# KiCad board PC110.kicad_pcb (continued)
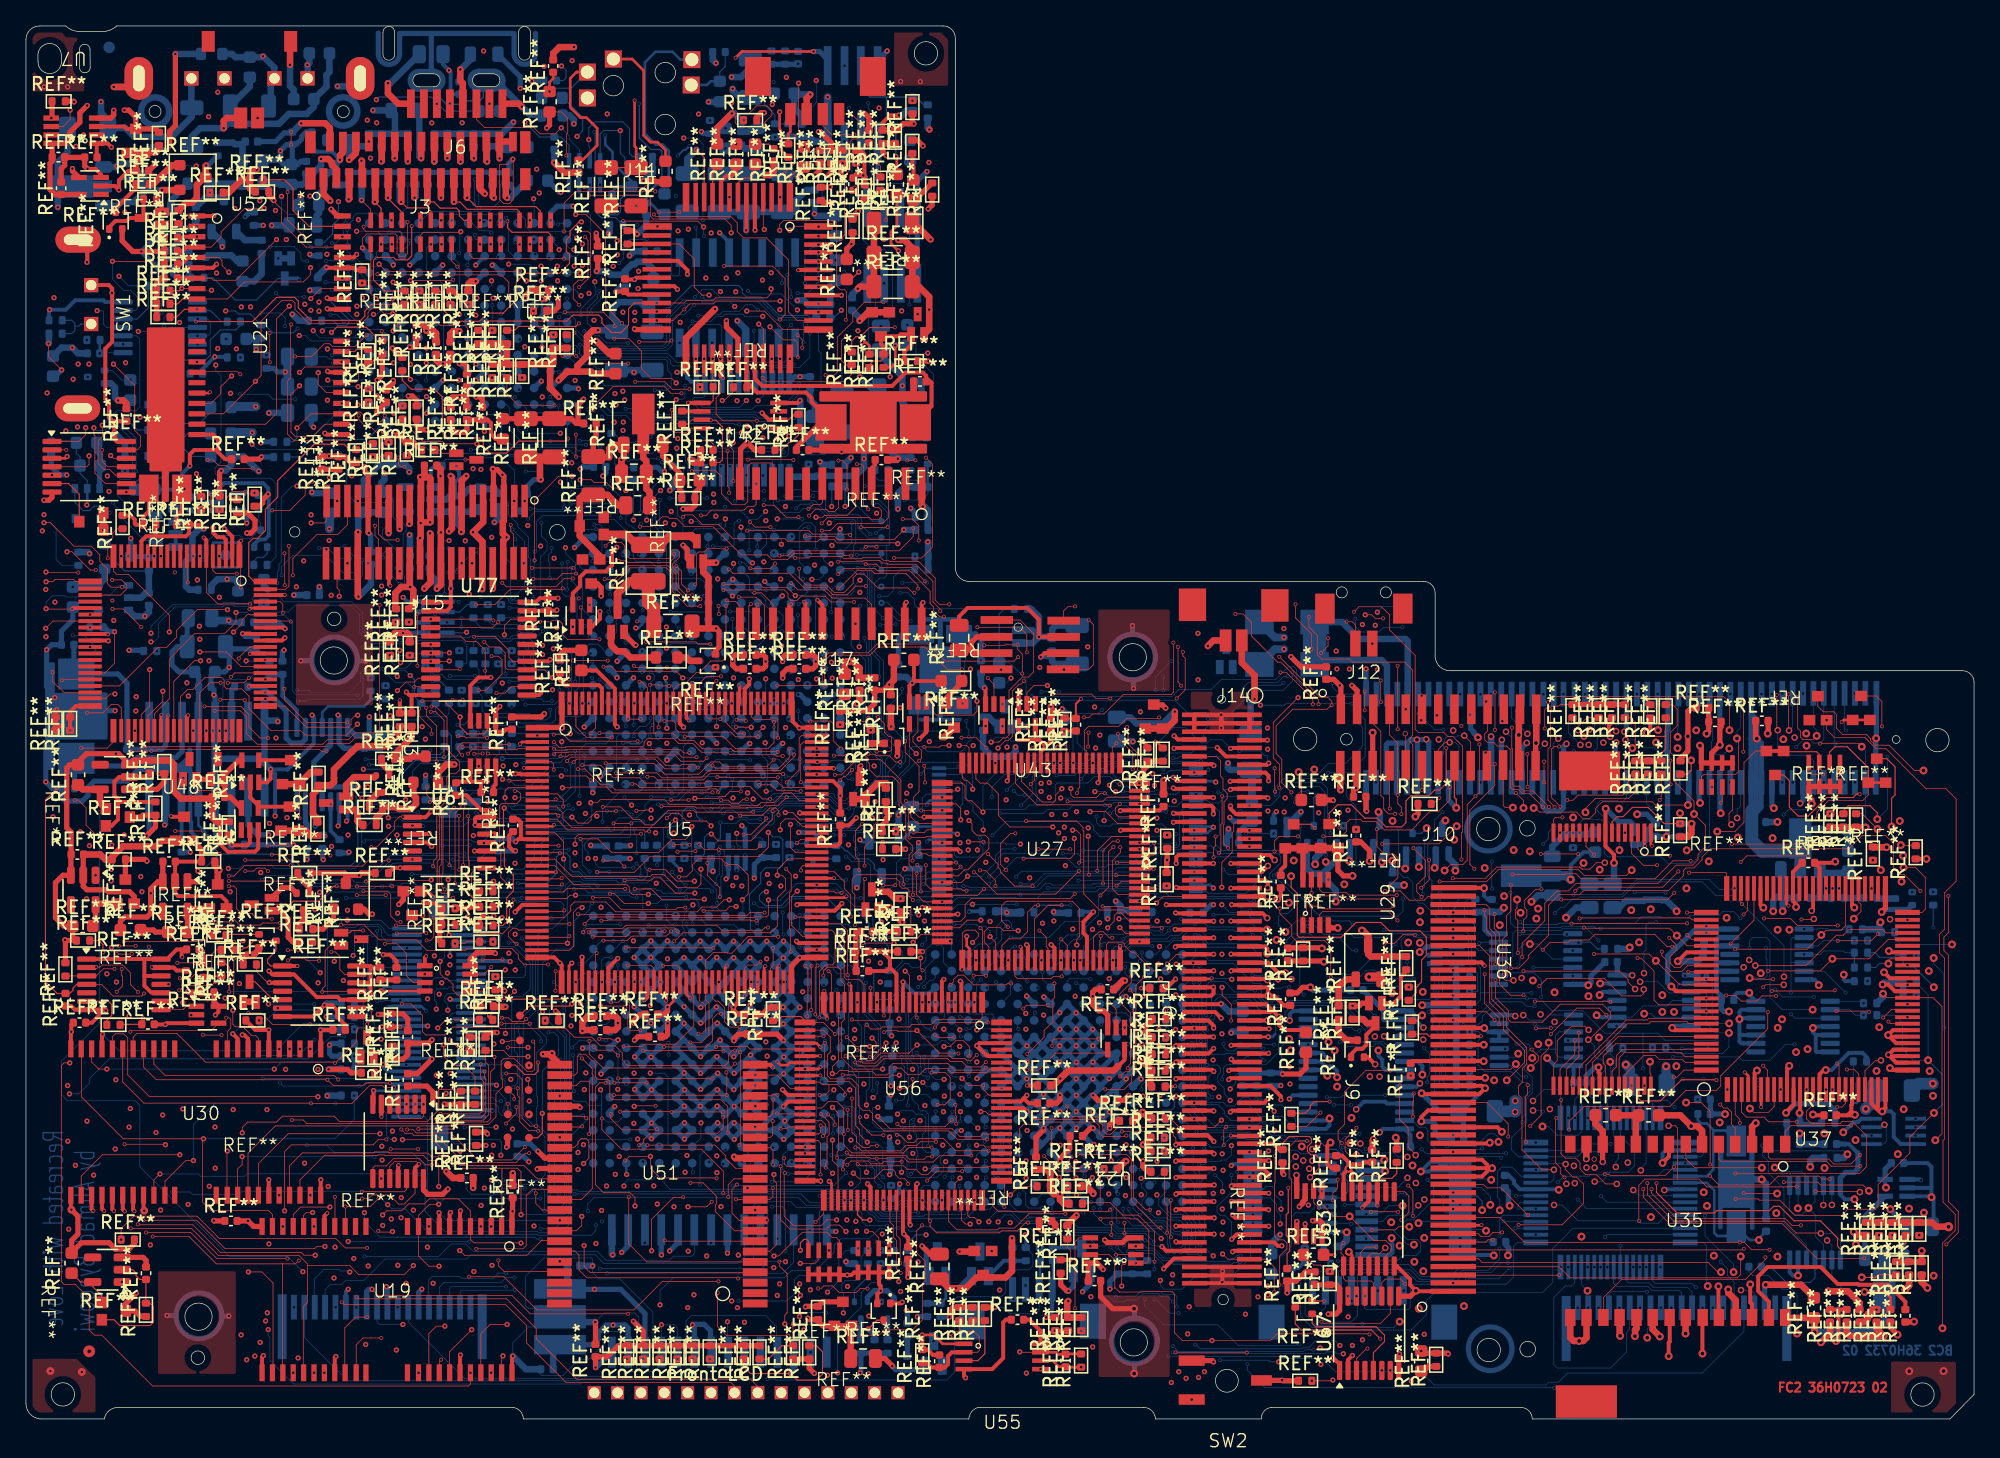
[diagram p0: board, top side]
## Routing (per net, layer and track width the routed paths; a pad name or vN(x,y) marks a point on that pad's centre or on a via; arc(x,y) is an arc through that point) (continued)
SD7: length 224.3
  FC2 w0.05: 60,22.51 58.73,22.51 58.7,22.48 58.7,22.47 58.6,22.38 v2(58.12,22.38) ; v2(73.52,37.83) 73.67,37.68 U27.54 ; U5.88 58.72,43.17 57.87,42.32 v1(57.87,41.9) 58.24,41.9 58.52,41.63 58.52,40.8 57.87,40.15 57.87,37.98 57.36,37.47 50.6,37.47 v2(49.94,36.81) ; v2(53.67,23.66) 49.75,23.66 v2(49.74,23.65) 49.71,23.68 v2(45.77,23.68)
  FC1 w0.05: v2(45.77,23.68) 44.96,22.87 41.92,22.87 41.12,22.07 v2(41.12,21.7) ; v2(53.67,23.66) 55.26,23.66 55.97,24.37 56.52,24.37 56.65,24.24 56.65,22.72 57,22.38 v2(58.12,22.38) ; v2(49.74,23.65) 49.75,23.66 49.75,24.36 49.85,24.46 49.85,36.36 49.87,36.38 49.87,36.43 49.94,36.5 v2(49.94,36.81) ; v1(72.91,39.66) 72.91,38.09 73.17,37.83 v2(73.52,37.83)
  IC1 w0.05: v1(57.87,41.9) 58.31,42.34 60.51,42.34 61.81,41.04 63.27,41.04 64.11,40.2 71.78,40.2 72.32,39.66 v1(72.91,39.66)
  IC2 w0.05: v1(56.98,57.04) 56.98,56.14 55.25,54.41 55.25,52.68 55.44,52.49 57.27,52.49 57.44,52.32 57.44,50.69 54.99,48.24 54.99,47.15 56.08,46.06 56.08,44.25 57.87,42.46 v1(57.87,41.9)
  IC4 w0.05: v1(56.75,84.97) 57.61,84.97 57.89,84.69 57.89,77.79 57.07,76.96 56.49,76.96 56.22,76.69 56.22,73.24 58.89,70.56 58.89,65.01 57.59,63.71 57.59,57.65 v1(56.98,57.04)
  BC1 w0.05: v11(116.3,19.2) 113.75,19.2 113.18,19.77 112.11,19.77 111.19,20.69 v11(111.19,25.72) ; v11(71.22,32.08) 71.22,32.28 71.14,32.36 71.14,32.57 71.06,32.65 71.06,33.24 71.34,33.52 71.34,37.34 v11(71.31,37.37) ; v11(108.07,31.38) 108.07,32.13 107.82,32.38 107.39,32.38 107.15,32.62 v11(107.15,33.35) ; v11(92.23,42.34) 91.76,42.34 91.57,42.15 90.31,42.15 ; v11(86.29,42.48) 86.62,42.15 90.31,42.15 ; 90.31,42.15 90.57,42.15 90.57,42.99 90.41,43.15 v11(90.13,43.15) ; v11(52.89,73.43) 52.89,74.13 51.93,75.09 51.93,78.68 51.69,78.92 51.69,80.71 51.91,80.93 51.91,81.55 51.49,81.97 51.49,82.67 51.34,82.82 v11(51.34,84.58) ; v11(76.28,41.8) 76.28,39.68 v11(76.3,39.66) ; v11(95.04,41.95) 95.04,40.75 95.12,40.67 95.12,39.99 95.36,39.75 96.07,39.75 96.34,39.48 96.71,39.48 97.69,38.5 97.69,35.5 98.55,34.64 v11(100.21,34.64)
  BC2 w0.05: v11(111.19,25.72) 111.19,25.49 110.75,25.05 109.71,25.05 109.25,25.51 109.25,25.9 109.04,26.11 109.04,26.77 109.1,26.83 109.1,29.85 108.87,30.08 108.87,30.62 108.11,31.38 v11(108.07,31.38) ; v11(95.04,41.95) 92.62,41.95 v11(92.23,42.34) ; v11(51.34,84.58) 52.75,84.58 53.13,84.96 53.65,84.96 53.83,85.14 55.21,85.14 55.38,84.97 v1(56.75,84.97) ; v11(76.28,41.8) 76.69,42.21 83.77,42.21 84.04,42.48 v11(86.29,42.48) ; 71.3,31.98 71.22,32.07 v11(71.22,32.08) 71.3,32 ; v1(56.98,57.04) 56.98,54.66 57.64,54 57.64,53.99 ; v11(100.21,34.64) 100.21,33.86 100.38,33.69 102.69,33.69 102.81,33.57 104.6,33.57 104.82,33.35 v11(107.15,33.35) ; v11(71.31,37.37) 71.31,37.7 71.17,37.84 71.17,39.06 71.77,39.66 v1(72.91,39.66) v11(76.3,39.66) ; v11(52.89,73.43) 52.89,72.79 U26.10
SD8: length 209.6
  FC2 w0.05: v2(116.69,43.55) 116.7,43.54 v2(119.56,43.54) ; v2(118.5,18.61) 118.18,18.93 118.18,19.37 117.81,19.74 117.81,23.12 v2(117.88,23.19) ; v2(116.73,40.82) 116.29,40.82 115.41,39.94 115.41,39.42 115.61,39.22 115.61,38.71 115.33,38.43 v2(115.33,37.59) ; v2(117.45,29.66) 119.45,31.66 121.19,31.66 v2(121.73,31.12)
  FC1 w0.05: v2(117.88,23.19) 117.88,29.23 v2(117.45,29.66) ; v2(115.33,37.59) 114.91,37.17 110.02,37.17 v2(109.93,37.08) ; v2(119.56,43.54) 119.56,43.23 119.47,43.14 119.47,42.69 120.33,41.83 120.33,35.32 121.73,33.92 v2(121.73,31.12) ; v2(56.17,22.5) 56.56,22.11 58.38,22.11 59.28,23.01 64.43,23.01 v1(64.74,23.32) ; v2(116.69,43.55) 116.73,43.51 v2(116.73,40.82) ; v3(130.46,22.85) 130.5,22.81 130.5,21.18 126.41,17.09 121.18,17.09 119.66,18.61 v2(118.5,18.61) ; v3(135.26,30.8) 135.53,30.53 135.53,27.94 135.15,27.56 v2(135.15,25.39)
  IC2 w0.05: v1(77.03,19.89) 75.78,21.14 73.94,21.14 72.3,22.78 70.94,22.78 70.05,23.67 68.04,23.67 67.81,23.9 66.99,23.9 65.88,22.79 65.27,22.79 v1(64.74,23.32) 61.31,23.32 61.02,23.61 58.21,23.61 57.74,24.08 57.74,32.41 57.92,32.59 57.92,40.6 v1(57.25,41.27)
  IC3 w0.05: v3(130.46,22.85) 130.42,22.89 128.86,22.89 128.65,23.1 110.25,23.1 109.5,22.35 105.1,22.35 104.93,22.52 103.66,22.52 103.34,22.2 96.97,22.2 96.48,22.69 94.14,22.69 93.62,23.21 92.61,23.21 92.32,23.5 91.75,23.5 91.39,23.14 70.69,23.14 70.15,22.6 65.45,22.6 64.74,23.31 v1(64.74,23.32)
  IC4 w0.05: v3(130.46,22.85) 131.13,22.85 132.05,23.77 132.05,28.77 134.08,30.8 v3(135.26,30.8)
  BC1 w0.05: v1(77.03,19.89) 76.34,19.2 76.34,18.89 75.21,17.76 v11(75.21,17.32) ; v11(58.92,48.73) 58.92,46.78 60.03,45.67 60.03,43.55 58.85,42.37 56.83,42.37 56.67,42.21 56.67,41.85 v1(57.25,41.27)
  BC2 w0.05: v11(75.21,17.32) 75.11,17.23 U25.A5 ; 58.91,48.91 58.92,48.9 v11(58.92,48.73)
SD9: length 213
  FC2 w0.05: v2(113.47,30.42) 113.47,30.9 112.36,32.01 v2(112.36,34.27) ; v2(114.01,34.3) v2(114.01,36.55) ; U37.8 134.65,24.07 134.19,23.61 133.1,23.61 v3(132.79,23.92) ; v2(118.24,24.58) 118.24,20.49 118.23,20.48 118.23,20.44 118.57,20.1 119.36,20.1 119.7,19.76 119.7,19.27 120.15,18.82 120.97,18.82 121.68,18.11 v5(122.53,18.11) ; v2(117.45,30.12) 117.43,30.1 v2(116.3,30.1) ; v2(53.7,23.28) 53.7,22.44 53.23,21.98 48.02,21.98 47.59,21.54 47.59,21.53 47.56,21.5 47.56,21.32 47.34,21.1 v2(47.23,21.1)
  FC1 w0.05: v2(109.93,38.38) 109.56,38.38 109.21,38.03 109.21,36.84 109.53,36.52 113.98,36.52 v2(114.01,36.55) ; v2(112.36,34.27) 112.39,34.3 v2(114.01,34.3) ; v2(117.45,30.12) 118.07,29.5 118.07,24.75 v2(118.24,24.58) ; v2(53.7,23.28) 55.35,23.28 v2(56.17,24.1) ; v2(116.3,30.1) 115.98,30.42 v2(113.47,30.42) ; v2(47.23,21.1) 47.23,20.69 47.08,20.54 v1(47.08,17.96)
  IC1 w0.05: v1(82.14,18.6) 82.89,18.6 83.3,18.19 83.58,18.19 84.5,19.11 89.18,19.11 89.77,18.52 93.02,18.52 94.83,16.71 96.9,16.71 97.65,15.96 98.93,15.96 99.35,16.38 105.33,16.38 105.86,15.85 110.69,15.85 111.16,15.38 118.09,15.38 118.54,15.83 120.12,15.83 122.4,18.11 v5(122.53,18.11)
  IC2 w0.05: v1(82.14,18.6) 81.7,19.04 74.32,19.04 73.94,19.42 72.52,19.42 ; v5(122.53,18.11) 123.49,18.11 123.92,18.54 123.92,22.12 125.72,23.92 132.79,23.92 v3(132.79,23.92) ; 72.52,19.42 72.52,21.07 72.06,21.53 71.5,21.53 70.48,22.55 66.2,22.55 66.03,22.38 57.12,22.38 55.35,24.15 55.35,38.93 55.75,39.33 55.75,41.32 55.36,41.71 55.36,43.44 53.87,44.93 53.87,47.07 54.1,47.3 54.1,48.06 56.94,50.9 v1(56.94,52.11) ; 72.52,19.42 70.73,19.42 69.23,20.92 67.94,20.92 67.59,20.57 55.04,20.57 54.88,20.73 50.52,20.73 47.75,17.96 v1(47.08,17.96)
  BC1 w0.05: v1(82.14,18.6) 81.52,17.98 80.88,17.98 80.44,18.42 80.44,18.9 80.08,19.26 78.73,19.26 78.39,18.91 78.39,16.37 v11(78.27,16.25)
  BC2 w0.05: v11(78.27,16.25) 77.25,16.25 77.01,16.49 77.01,17.4 76.38,18.03 ; v1(56.94,52.11) 57.01,52.04 57.01,51.27 57.46,50.82 57.98,50.82 58.62,50.18 58.91,50.18
SD10: length 264
  FC2 w0.05: v1(50.99,16.35) 52.43,16.35 v2(52.82,16.74) ; v5(123.94,33.13) 123.4,33.67 123.4,33.87 122.76,34.51 v2(115.35,34.51) ; v2(133.8,27.22) 134.15,26.87 U37.7 ; 109.93,39.63 112.48,39.63 112.75,39.36 112.75,37.79 113.18,37.36 v2(113.18,35.05) ; v5(135.39,33.46) 133.99,33.46 v2(133.8,33.27)
  FC1 w0.05: v2(56.17,25.7) 56.15,25.72 54.75,25.72 54.67,25.8 53.01,25.8 52.73,25.52 52.73,16.83 v2(52.82,16.74) ; v2(113.18,35.05) 114.81,35.05 v2(115.35,34.51) ; v2(133.8,33.27) v2(133.8,27.22)
  IC1 w0.05: v1(51.01,12.93) 51.01,13.5 50.46,14.05 29.68,14.05 28.89,14.84 v1(28.89,15.51)
  IC2 w0.05: v1(51.01,12.93) 51.01,16.33 v1(50.99,16.35)
  IC3 w0.05: v1(51.01,12.93) 51.85,13.77 60,13.77 60.59,13.18 60.63,13.18 60.8,13.01 67.61,13.01 68.38,13.78 70.2,13.78 70.72,14.3 74.91,14.3 75.74,15.13 v1(75.81,15.13) 75.81,15.2 76.18,15.57 79.77,15.57 79.96,15.38 80.02,15.38 80.78,14.62 85.31,14.62 87.01,12.92 89.69,12.92 90.68,11.93 96.65,11.93 101.32,16.6 104.76,16.6 105.52,15.84 107.45,15.84 107.95,15.34 123.21,15.34 124.37,16.5 129.4,16.5 v3(129.48,16.42) ; v5(135.39,33.46) 133.92,33.46 133.75,33.29 129.52,33.29 128.93,32.7 126.75,32.7 126.27,32.22 124.16,32.22 123.94,32.44 v5(123.94,33.13)
  BC1 w0.05: v3(129.48,16.42) 129.48,17.05 129.89,17.46 129.89,24.02 131.35,25.48 v11(133.41,25.48) ; v11(54.09,49.57) 53.87,49.79 53.87,53.46 54.29,53.88 57.06,53.88 v11(57.62,53.32) ; v11(133.42,26.12) 132.5,26.12 131.67,26.95 131.67,29.3 135.39,33.02 v5(135.39,33.46) ; v1(75.81,15.13) 77.27,15.13 77.49,15.35 77.49,18.73 v11(76.98,19.24) ; v1(28.89,15.51) 28.91,15.49 29.91,15.49 30.25,15.83 30.25,17.35 30.03,17.57 30.03,31.28 30.59,31.84 30.95,31.84 31.15,31.64 31.15,31.24 31.36,31.03 33.03,31.03 33.58,31.58 33.58,37.65 33.14,38.09 33.14,40.11 33.96,40.93 v11(33.96,42.36) ; v11(51.14,49.52) 51.14,48.42 v11(51.23,48.33)
  BC2 w0.05: v11(76.98,19.24) 76.92,19.3 76.38,19.3 ; 57.64,52.72 57.64,53.3 v11(57.62,53.32) ; v11(133.42,26.12) 133.42,25.49 v11(133.41,25.48) ; v11(33.96,42.36) 38.29,42.36 39.15,43.22 39.15,44.39 40.03,45.27 45.2,45.27 45.31,45.38 45.31,45.42 45.34,45.45 45.34,45.99 45.67,46.32 47.04,46.32 47.68,46.96 47.68,47.3 48.04,47.66 50.27,47.66 50.94,48.33 v11(51.23,48.33) ; v11(54.09,49.57) 54.04,49.52 v11(51.14,49.52)
SD11: length 165.3
  FC2 w0.05: v2(60.17,31.03) 60.17,32.13 60.23,32.19 60.23,34.72 v2(60.03,34.92) ; v2(57.54,27.09) 57.53,27.09 ; v3(132.08,12.52) 132.08,11.15 131.8,10.87 118.95,10.87 118.09,11.73 109.93,11.73
  FC2 w0.2: v2(133.65,24.03) U37.6
  FC2 w0.3: U51.24 57.32,27.3 57.53,27.09
  FC1 w0.05: v2(60.03,34.92) 59.5,34.92 58.41,36.01 57.66,36.01 57.63,35.98 57.59,35.98 57.07,35.46 v1(57.05,35.46) ; v2(57.54,27.09) 58.57,27.09 59.38,27.9 59.38,30.24 v2(60.17,31.03) ; v2(133.65,24.03) 133.65,21.47 132.96,20.78 132.96,12.91 132.97,12.9 132.97,12.84 132.65,12.52 v3(132.08,12.52)
  IC1 w0.05: v1(63.54,21.49) 63.54,21.42 64.71,20.25 66.67,20.25 67.48,21.06 68.97,21.06 71.13,18.9 71.13,18.49 71.59,18.03 76.51,18.03 v1(77.03,18.55) 77.59,17.99 82.54,17.99 82.74,17.79 88.69,17.79 89.96,16.52 89.96,15.7 90.93,14.73 94.17,14.73 95.1,13.8 102.15,13.8 102.81,14.46 106.2,14.46 106.71,13.95 106.98,13.95 107.74,13.19 130.32,13.19 130.99,12.52 v3(132.08,12.52)
  IC4 w0.05: v1(63.54,21.49) 61.82,23.21 60.97,23.21 57.88,26.3 57.88,28.95 57.76,29.07 57.76,34.75 v1(57.05,35.46)
  BC1 w0.05: v11(59.59,37.62) 58.17,37.62 57.79,37.24 57.79,36.2 v1(57.05,35.46) ; v11(59.59,38.83) 60.04,39.28 60.04,41.43 60.41,41.8 60.41,47.54 59.83,48.12 59.83,49.11 59.31,49.63 59.31,51.28 v11(59.13,51.46) ; v11(76.47,17.31) 76.48,17.31 77.03,17.86 v1(77.03,18.55)
  BC2 w0.05: U25.A6 76.39,17.23 v11(76.47,17.31) ; v11(59.59,38.83) v11(59.59,37.62)
SD12: length 234.5
  FC2 w0.05: v3(134.88,17.37) 132.34,17.37 v2(132.31,17.4) ; v2(43.36,21.95) 43.42,22.01 43.42,25.92 43.31,26.03 42.72,26.03 42.39,25.7 U51.27 ; 109.93,12.98 109.98,13.03 132.23,13.03 v2(132.32,13.12)
  FC2 w0.2: v2(132.39,26.71) 132.65,26.45 U37.4
  FC1 w0.05: v1(44.72,17.95) 44.72,21.11 43.88,21.95 v2(43.36,21.95) ; v2(132.32,13.12) 132.32,17.39 v2(132.31,17.4) 132.31,25.97 132.39,26.05 v2(132.39,26.71)
  IC2 w0.05: v1(63.54,18.13) 62.84,17.43 45.24,17.43 v1(44.72,17.95)
  IC3 w0.05: v1(80.87,18.59) 81.26,18.2 85.59,18.2 85.64,18.15 86.22,18.15 86.26,18.19 89.02,18.19 90.67,19.84 92.46,19.84 92.63,20.01 93.12,20.01 95.01,18.12 95.95,18.12 96.2,17.87 96.92,17.87 97.23,17.56 107.96,17.56 108.22,17.82 113.82,17.82 116.07,15.57 122.56,15.57 123.9,16.91 134.2,16.91 134.66,17.37 v3(134.88,17.37)
  IC4 w0.05: v1(57.09,27.96) 57.03,27.9 57.03,19.99 56.79,19.75 56.79,18.67 57.54,17.92 62.6,17.92 62.81,18.13 v1(63.54,18.13) 63.43,18.13 61.2,15.9 61.2,9.35 64.56,5.99 69.8,5.99 71.88,8.07 75.67,8.07 75.99,8.39 82.61,8.39 83.62,9.4 85.06,9.4 86.46,10.8 86.46,12.44 84.29,14.61 80.95,14.61 78.69,16.87 78.69,18.53 79.42,19.26 80.2,19.26 v1(80.87,18.59)
  BC1 w0.05: v1(57.09,27.96) 57.6,27.45 60.46,27.45 60.57,27.56 60.57,31.37 59.63,32.31 57.44,32.31 57.05,32.7 v11(57.05,33.16) ; v1(80.87,18.59) 80.87,19.17 80.57,19.47 78.54,19.47 78.08,19.01 v11(78.08,18.68) ; v11(60.21,48.67) 60.21,48.07 60.61,47.67 60.61,41.55 60.49,41.43 60.49,40.23 60.55,40.17 60.55,36.43 60.07,35.95 59.34,35.95 57.89,34.5 v11(57.07,34.5)
  BC2 w0.05: v11(60.21,48.67) 60.21,48.88 60.18,48.91 ; v11(78.08,18.68) 78.08,18.46 77.65,18.03 ; v11(57.05,33.16) 57.07,33.18 v11(57.07,34.5)
SD13: length 199.1
  FC2 w0.05: 127.21,18.48 127.21,22.43 127.05,22.59 v5(126.52,22.59) ; 127.21,18.48 128.88,18.48 129.48,17.88 135.71,17.88 135.74,17.91 v2(136.4,17.91) ; 127.21,18.48 124.71,18.48 124.23,18 124.23,15.28 v2(124.26,15.25) ; 109.93,14.28 111.85,14.28 112.07,14.06 112.69,14.06 113.01,14.38 v2(113.7,14.38) ; v2(136.4,22.9) 134.23,22.9 133.87,23.26 132.52,23.26 132.15,23.63 U37.3
  FC2 w0.4: v1(42.67,24) 42.57,24.1 U51.29
  FC1 w0.05: v2(136.4,22.9) 136.4,22.49 136.19,22.28 136.19,19.14 136.4,18.93 v2(136.4,17.91) ; v2(124.26,15.25) 124.22,15.29 117.83,15.29 116.92,14.38 v2(113.7,14.38)
  IC1 w0.05: v5(117.38,23.88) 118.67,22.59 v5(126.52,22.59) ; v1(42.67,24) 43.41,24.74 63.81,24.74 63.92,24.85 64.97,24.85 65.05,24.77 v1(65.24,24.77)
  IC3 w0.05: v1(65.24,24.77) 65.96,24.77 66.14,24.59 67.06,24.59 67.55,25.08 69.44,25.08 70,24.52 70.2,24.52 70.23,24.5 89.14,24.5 90.73,26.09 91.53,26.09 92.59,25.03 93.19,25.03 94.93,23.29 96.64,23.29 97.38,22.55 103.07,22.55 103.45,22.93 106.71,22.93 108.31,24.53 113.5,24.53 113.99,25.02 116.85,25.02 117.38,24.49 v5(117.38,23.88)
  BC1 w0.05: v11(65.57,25.87) 64.79,26.65 64.79,27.88 64.56,28.11 64.56,29.82 65.61,30.87 65.61,32.06 65.03,32.64 63.36,32.64 62.53,33.47 62.53,36.74 63.53,37.74 63.53,40.11 63.16,40.48 v11(63.16,41.56) ; v11(71.91,17.96) 69.65,17.96 67.85,16.16 66.83,16.16 v11(66,16.99) ; v11(71.91,16.12) 71.91,15.03 72.42,14.52 76.4,14.52 76.57,14.69 77.26,14.69 77.74,15.17 v11(77.74,19.11) ; v11(64.46,20.48) 64.19,20.75 64.19,24.32 64.64,24.77 v1(65.24,24.77) ; v11(61.48,41.71) 61.49,41.72 61.49,45.64 61.33,45.8 61.33,47.53 60.83,48.03 60.83,49.4 v11(60.23,50)
  BC2 w0.05: v1(65.24,24.77) 65.57,25.1 v11(65.57,25.87) ; v11(77.74,19.11) 77.74,19.21 77.65,19.3 ; v11(77.74,19.11) 77.74,19.18 77.65,19.27 ; v11(77.74,19.11) 77.74,19.2 U25.C7 ; v11(60.23,50) 60.23,50.13 60.18,50.18 ; v11(64.46,20.48) 65.09,19.85 65.32,19.85 65.53,19.64 65.53,18.68 66.12,18.09 66.12,17.77 66.07,17.72 66.07,17.06 v11(66,16.99) ; v11(71.91,16.12) v11(71.91,17.96) ; v11(61.48,41.71) 61.97,41.71 62.12,41.56 v11(63.16,41.56)
SD14: length 253.5
  FC2 w0.05: U51.31 42.79,22.5 v2(42.84,22.55) ; U37.2 131.65,23.46 132.01,23.1 v2(132.01,22.82) ; 109.93,15.53 113.52,15.53 115.44,13.61 v2(132,13.61) 132.35,13.61 132.92,13.04 v2(134.3,13.04)
  FC1 w0.05: v2(42.84,22.55) 44.93,22.55 45.7,21.78 v1(45.7,20.23) ; v2(132.01,22.82) 132.01,13.62 v2(132,13.61) ; v2(134.3,13.04) 134.3,15.34 v3(134.82,15.86)
  IC1 w0.05: v1(79.59,18.62) 80,18.21 82.75,18.21 82.94,18.02 88.91,18.02 90.86,16.07 91.6,16.07 91.94,15.73 92.23,15.73 92.89,15.07 94.4,15.07 94.76,15.43 96.06,15.43 96.25,15.62 97.44,15.62 97.6,15.78 99.03,15.78 99.38,16.13 105.23,16.13 105.73,15.63 110.61,15.63 111.06,15.18 118.22,15.18 118.67,15.63 124.28,15.63 124.72,16.07 125.63,16.07 125.84,15.86 v3(134.82,15.86)
  IC4 w0.05: v1(45.7,20.23) 44.57,20.23 43.57,19.23 43.57,16.02 44.28,15.31 50.24,15.31 51.82,13.73 51.82,8.65 53.46,7.01 55.5,7.01 56.32,7.83 56.32,12.69 56.72,13.09 58.19,13.09 59.17,12.11 59.17,11.59 59.82,10.94 60.61,10.94 60.9,10.65 60.9,9.06 64.32,5.64 69.76,5.64 71.47,7.35 82.15,7.35 83.95,9.15 85.2,9.15 86.69,10.64 86.69,12.63 84.53,14.79 81.03,14.79 80.27,15.55 80.27,17.39 79.59,18.07 v1(79.59,18.62)
  BC1 w0.05: v11(60.21,51.22) 60.55,51.22 61.17,50.6 61.17,48.03 61.56,47.64 61.56,45.87 61.69,45.74 61.69,42.14 61.79,42.04 61.79,36.38 60.32,34.91 59.96,34.91 59.81,34.76 59.38,34.76 58.65,34.03 v11(49.44,34.03) ; v11(45.6,28.23) 44.91,28.23 44.39,28.75 44.39,29.47 45.2,30.28 45.2,31.64 45.64,32.08 45.64,32.87 46.12,33.35 48.87,33.35 49.03,33.19 v11(49.41,33.19) ; v11(45.6,25.89) 39.19,25.89 39.01,25.71 38.42,25.71 37.52,26.61 v11(36.71,26.61) ; v1(79.59,18.62) 79.14,18.17 v11(79.14,17.34) ; v1(45.7,20.23) 45.7,20.71 43.85,22.56 40.93,22.56 40.85,22.64 37.93,22.64 37.32,23.25 v11(37.32,23.72)
  BC2 w0.05: v11(45.6,25.89) v11(45.6,28.23) ; v11(49.41,33.19) 49.44,33.22 v11(49.44,34.03) ; v11(37.32,23.72) 37.32,25.2 36.9,25.62 36.9,26.07 36.71,26.26 v11(36.71,26.61) ; v11(79.14,17.34) 78.26,17.34 77.66,16.74 U25.A7
SD15: length 231.3
  FC2 w0.05: v1(42.95,19.68) 43.36,20.09 43.36,21.4 43.16,21.6 42.76,21.6 42.52,21.36 42.52,21.21 42.21,20.9 U51.33 ; v1(41.71,36.66) 39.4,36.66 U5.34
  FC1 w0.05: v3(110.76,8.7) 110.76,15.95 v2(109.93,16.78) ; v2(131.05,25.39) 131.38,25.06 131.38,21.71 125.98,16.31 121.27,16.31 120.98,16.02 115.48,16.02 115.06,15.6 110.76,15.6
  IC1 w0.05: v3(110.76,8.7) 108.29,11.17 108.29,12.26 107.96,12.59 107.91,12.59 107.89,12.61 105.93,12.61 104.64,11.32 95.77,11.32 93.73,13.36 91.19,13.36 90.47,12.64 87.14,12.64 86.25,13.53 86.25,14.47 83.4,17.32 v1(83.4,17.34)
  IC2 w0.05: v1(64.74,19.01) 65.47,19.01 66.87,17.61 72.34,17.61 72.51,17.78 82.3,17.78 82.75,17.33 82.75,17.31 83.37,17.31 v1(83.4,17.34)
  IC3 w0.05: v1(42.95,19.68) 43.01,19.74 64.01,19.74 v1(64.74,19.01)
  BC1 w0.05: v11(56.07,39.74) 55.41,40.4 53.88,40.4 53.63,40.65 v11(52.85,40.65) ; v11(62.18,45) 62.18,45.57 62.25,45.64 62.25,46.45 62.11,46.59 62.11,47.56 61.48,48.19 v11(61.48,48.67) ; v11(64.38,37.57) 64.38,39.41 64.68,39.71 64.68,44.88 64.5,45.06 63.7,45.06 63.64,45 v11(63.02,45) ; v11(79.53,18.01) 79.94,17.6 81.86,17.6 81.98,17.72 82.37,17.72 82.74,17.34 v1(83.4,17.34) ; v11(66.39,44.9) 65.4,44.9 64.88,44.38 64.88,39.63 64.69,39.44 64.69,39.69 64.69,36.4 64.25,35.96 63.98,35.96 63.5,35.48 63.5,34.97 v11(63.74,34.73) ; v11(60.36,66.6) 60.65,66.31 63.33,66.31 v11(64.06,65.58)
  BC2 w0.05: v11(63.74,34.73) 63.52,34.95 U1.T4 63.19,35.39 63.44,35.39 64.36,36.31 64.36,37.07 63.34,38.09 61.13,38.09 60.86,38.36 60.86,39.52 60.3,40.08 59.03,40.08 58.35,39.4 56.48,39.4 56.14,39.74 v11(56.07,39.74) ; 78.92,18.03 78.94,18.01 v11(79.53,18.01) ; 61.45,48.91 61.48,48.88 v11(61.48,48.67) ; v1(64.74,19.01) 64.74,19.66 64.18,20.22 64.18,22.27 63.95,22.5 63.95,26.46 63.62,26.79 63.62,28.11 64.34,28.83 64.34,30.26 64.08,30.52 64.08,34.19 64.51,34.62 64.51,35.67 64.66,35.82 64.66,37.29 v11(64.38,37.57) ; v11(62.18,45) v11(63.02,45) ; v11(66.39,44.9) 66.39,45.98 66,46.37 66,47.01 66.4,47.41 66.4,49.85 67.51,50.96 67.51,51.39 67.27,51.63 67.14,51.63 65.87,52.9 65.87,55.36 65.1,56.13 65.1,58.76 64.94,58.92 64.94,60.64 64.83,60.75 64.83,65.33 64.58,65.58 v11(64.06,65.58) ; v11(52.85,40.65) 52.62,40.88 50.96,40.88 50.6,40.52 49.05,40.52 48.82,40.75 48.55,40.75 48.55,40.76 48.42,40.89 47.46,40.89 47.26,40.69 43.74,40.69 43.37,41.06 42.77,41.06 42.63,41.2 41.95,41.2 41.71,40.96 v1(41.71,36.66)
SPKROUT#: length 72.2
  FC2 w0.05: v2(66.87,66.35) 68.99,66.35 69.83,67.2 69.83,73.57 v2(69.32,74.08) ; v2(69.06,36.01) 69.05,36.02
  FC2 w0.4: 69.05,36.02 REF**#304.2
  FC1 w0.05: 68.05,79.81 69.3,78.55 69.3,74.1 v2(69.32,74.08) ; 68.05,79.81 68.09,79.76 ; 68.05,79.81 67.54,80.31 v1(66.57,80.31) ; v1(69.21,38.38) 69.21,36.16 v2(69.06,36.01) ; v2(66.87,66.35) 66.57,66.05 66.57,61.94 67.84,60.67 67.84,56.63 70.09,54.38 70.09,51.94 74.42,47.61 74.42,43.39 v1(73.93,42.9)
  IC4 w0.05: v1(69.21,38.38) 70.47,39.64 70.47,40.66 72.71,42.9 v1(73.93,42.9)
  BC1 w0.05: v11(67.89,84.32) 67.27,84.32 66.27,83.32 66.27,80.61 v1(66.57,80.31) ; v11(72.6,32.27) 72.36,32.03 71.86,32.03 71.3,32.59 71.3,33.02 71.53,33.25 71.53,34.41 71.59,34.47 71.59,36.13 71.65,36.19 71.65,37.5 71.48,37.67 70.68,37.67 70.44,37.43 69.76,37.43 69.57,37.24 69.27,37.24 68.84,37.67 68.84,38.01 v1(69.21,38.38)
  BC2 w0.05: 72.57,32 72.6,32.03 v11(72.6,32.27)
SYSCLK: length 44.7
  IC1 w0.05: v1(69.26,19.27) 68.83,19.7 51.46,19.7 v1(50.77,19.01)
  IC4 w0.05: v1(50.77,19.01) 50.77,19.06 50.04,19.79 50.04,37.66 50.42,38.04 v1(50.42,42.32)
  BC2 w0.05: 49.72,43.02 REF**#635.1 ; v1(69.26,19.27) 69.27,19.28 U25.C1
  BC2 w0.2: v1(50.42,42.32) 49.72,43.02
TRKPD_Lclick: length 136.8
  FC1 w0.05: v1(48.84,8.79) 48.84,8.28 49.63,7.49 49.63,6.02 48.8,5.19 v2(48.8,4.62)
  IC2 w0.05: v1(48.84,8.79) 48.84,12.01 48.95,12.12 v1(48.95,12.64)
  IC3 w0.05: v1(48.84,8.79) 48.74,8.89 30.49,8.89 29.03,7.43 v1(29.03,7.28)
  BC1 w0.05: v11(88.01,4.83) 87.77,5.07 87.77,7.15 84.96,9.96 84.96,12.11 84.57,12.5 v11(84.57,13.39)
  BC2 w0.05: J7.10 27.04,7.45 27.21,7.28 v1(29.03,7.28) ; J5.4 132.33,6.75 129.12,3.54 118.75,3.54 118.63,3.42 118.62,3.42 118.28,3.08 118.28,3.07 118.04,2.83 117.29,2.83 117.07,2.61 108.48,2.61 107.46,3.63 100.88,3.63 99.86,4.65 96.83,4.65 96.65,4.83 v11(88.01,4.83) ; v1(48.84,8.79) 48.84,9.88 49.83,10.87 58.39,10.87 58.97,11.45 60.06,11.45 61.11,12.5 61.11,15.96 61.25,16.1 62.25,16.1 62.53,16.38 64.41,16.38 65.06,15.73 65.17,15.73 65.66,15.24 67.3,15.24 68.07,14.47 68.59,14.47 68.97,14.85 69.69,14.85 70.09,14.45 76.5,14.45 76.73,14.68 77.4,14.68 77.93,14.15 81.66,14.15 82.48,13.33 83.16,13.33 83.43,13.6 84.36,13.6 v11(84.57,13.39)
  BC2 w0.4: v1(48.95,12.64) 48.93,12.66 U34.4
TRKPD_Rclick: length 150.5
  FC2 w0.05: v2(46.38,8.1) 38.85,8.1 37.44,9.51 27.14,9.51 v1(26.66,9.99)
  FC1 w0.05: v2(46.3,4.62) 46.3,8.02 v2(46.38,8.1) 46.38,9.16 49.58,12.36 v1(49.58,12.95)
  IC2 w0.05: v1(42.52,19.22) 42.52,18.5 46.46,14.56 47.97,14.56 v1(49.58,12.95)
  IC3 w0.05: v1(42.52,19.22) 42.09,19.65 42.09,19.98 42.28,20.17 43.99,20.17 44.81,20.99 64.08,20.99 64.56,20.51 67.7,20.51 68.11,20.92 68.44,20.92 68.93,20.43 73.69,20.43 73.93,20.67 83.27,20.67 83.34,20.74 83.94,20.74 84.06,20.62 89.22,20.62 90.9,22.3 93.53,22.3 93.77,22.06 94.96,22.06 95.6,21.42 97.17,21.42 98.09,20.5 98.55,20.5 98.72,20.33 99.65,20.33 100.21,19.77 103.03,19.77 104.09,20.83 120.51,20.83 120.79,20.55 v9(120.79,20.02)
  IC4 w0.05: v5(132.1,9.93) 132.1,11.32 133.08,12.3 133.08,13.42 132.09,14.41 132.05,14.41 132.05,16.53 127.85,20.73 121.5,20.73 v9(120.79,20.02)
  BC2 w0.05: v5(132.1,9.93) 132.47,9.93 132.53,9.87 132.92,9.87 133.13,9.66 J5.3
  BC2 w0.4: v1(26.66,9.99) 26.42,9.99 26.24,9.81 J7.11 ; U34.5 50.23,13.6 v1(49.58,12.95)
VGA_Blue: length 143.8
  IC1 w0.05: v1(28.31,81.39) 27.43,81.39 v1(25.59,79.55) ; v5(114,52.96) 113.17,53.79 105.34,53.79 104.47,52.92 104.47,52.5 104.15,52.18 104.15,46.81 v3(104.18,46.78)
  IC3 w0.05: v1(28.85,58.28) 29.81,58.28 32,56.09 38.59,56.09 39.5,55.18 61.12,55.18 62.56,53.74 74.74,53.74 74.83,53.83 79.95,53.83 81.67,52.11 81.67,51.35 82.14,50.88 89.55,50.88 90.65,49.78 90.65,45.27 91.1,44.82 102.21,44.82 104.17,46.78 v3(104.18,46.78)
  IC4 w0.05: v1(28.85,58.28) 28.77,58.36 28.37,58.36 25.97,60.76 25.97,61.13 25.98,61.15 25.98,63.95 24.92,65.01 24.92,64.85 24.92,68.83 28.22,72.13 28.22,74.58 26.18,76.62 26.18,80.07 27.5,81.39 v1(28.31,81.39)
  BC2 w0.05: v1(28.31,81.39) 28.85,81.39 28.98,81.26 U23.C10 ; REF**#739.1 25.58,79.56 v1(25.59,79.55) ; v5(114,52.96) 114.43,52.53 J8.65
  BC2 w0.5: REF**#706.3 104.28,46.68 v3(104.18,46.78)
VGA_Green: length 134.8
  IC1 w0.05: v1(22.15,76.43) 23.01,76.43 24.73,78.15 v1(25.57,78.15)
  IC3 w0.05: v5(116.99,52.04) 116.93,52.04 113.33,48.44 110.22,48.44 107.89,46.11 v3(107.89,45.53) 107.84,45.53 106.72,44.41 90.81,44.41 90.21,45.01 90.21,49.45 89.12,50.54 81.87,50.54 81.18,51.23 81.18,51.68 80.16,52.7 75.14,52.7 74.49,53.35 62.26,53.35 60.76,54.85 39.17,54.85 38.28,55.74 31.53,55.74 30.83,56.44 29.77,56.44 29.5,56.71 29.11,56.71 v1(28.6,57.22)
  IC4 w0.05: v1(28.6,57.22) 28.6,57.25 25.06,60.79 25.06,64.08 24.53,64.61 24.53,69.16 26.67,71.3 26.67,75.42 25.79,76.3 25.79,77.16 25.57,77.38 v1(25.57,78.15)
  BC2 w0.05: v1(25.57,78.15) 25.6,78.18 U23.A12 ; v5(116.99,52.04) 116.03,51.08 J8.67
  BC2 w0.08: REF**#802.3 107.49,45.13 v3(107.89,45.53)
  BC2 w0.4: REF**#536.1 21.97,76.61 v1(22.15,76.43)
VGA_Hsync: length 135.6
  FC2 w0.05: REF**#149.1 29,76.91 30.58,75.33 32.07,75.33 32.25,75.15 v1(34.73,75.15)
  IC2 w0.05: v1(36.69,56.71) 36.69,58.57 36.2,59.06 36.2,62.85 37.62,64.27 37.62,68.86 35.54,70.94 35.54,74.34 v1(34.73,75.15)
  IC3 w0.05: v1(36.69,56.71) 38.5,56.71 38.53,56.74 38.58,56.74 39.75,55.57 61.34,55.57 61.35,55.56 61.53,55.56 62.94,54.15 65.75,54.15 65.9,54.3 80.11,54.3 82.16,52.25 83.09,52.25 83.56,52.72 87.33,52.72 87.88,52.17 88.68,52.17 88.75,52.24 93.71,52.24 94.34,51.61 v1(95.64,51.61)
  IC4 w0.05: v5(115.65,52.8) 115.65,53.31 115.21,53.75 107.35,53.75 103.74,57.36 97.81,57.36 96.4,55.95 96.4,52.37 v1(95.64,51.61)
  BC1 w0.05: v11(101.47,45.71) 100.05,45.71 98.66,44.32 95.36,44.32 95.01,44.67 95.01,45.11 95.81,45.91 96.9,45.91 97.43,46.44 97.43,48.11 97.68,48.36 97.68,48.92 96.16,50.44 96.16,51.09 v1(95.64,51.61)
  BC2 w0.05: J8.36 114.43,54.02 v5(115.65,52.8)
VGA_Red: length 146.6
  IC1 w0.05: v5(118.02,52.43) 118.02,51.27 117.83,51.08 117.83,49.78 117.14,49.09 109.89,49.09 109.26,48.46 109.26,46.55 109.33,46.48 v3(109.33,46.12) 109.28,46.07 109.28,45.35 108.84,44.91 88.64,44.91 87.72,45.83 87.72,47.26 86.85,48.13 85.95,48.13 84.16,49.92 67.46,49.92 66.93,49.39 64.01,49.39 63.21,50.19 49.01,50.19 48.69,50.51 37.82,50.51 v1(37.73,50.42) ; v1(30.84,82.52) 30.84,82.68 28.97,84.55 26.24,84.55 25.65,83.96 25.65,81.93 v1(25.56,81.84)
  IC4 w0.05: v1(37.73,50.42) 37.66,50.49 37.66,51.72 37.58,51.8 37.58,81.47 36.53,82.52 v1(30.84,82.52)